# Altium PCB LimeSDR-QPCIe_1v2.PcbDoc (part 5 of 21)
Units mm, origin at the board's own origin, x right, y up, seen from the top; angles counter-clockwise.
Board outline 190 x 111.15 mm, 14 copper layers (Top, L2, L3, L4, L5, L6, L7, L8, L9, L10, L11, L12, L13, Bottom), stack 1.907 mm thick; 2014 components, 1408 nets, 9111 pads, 4171 vias.
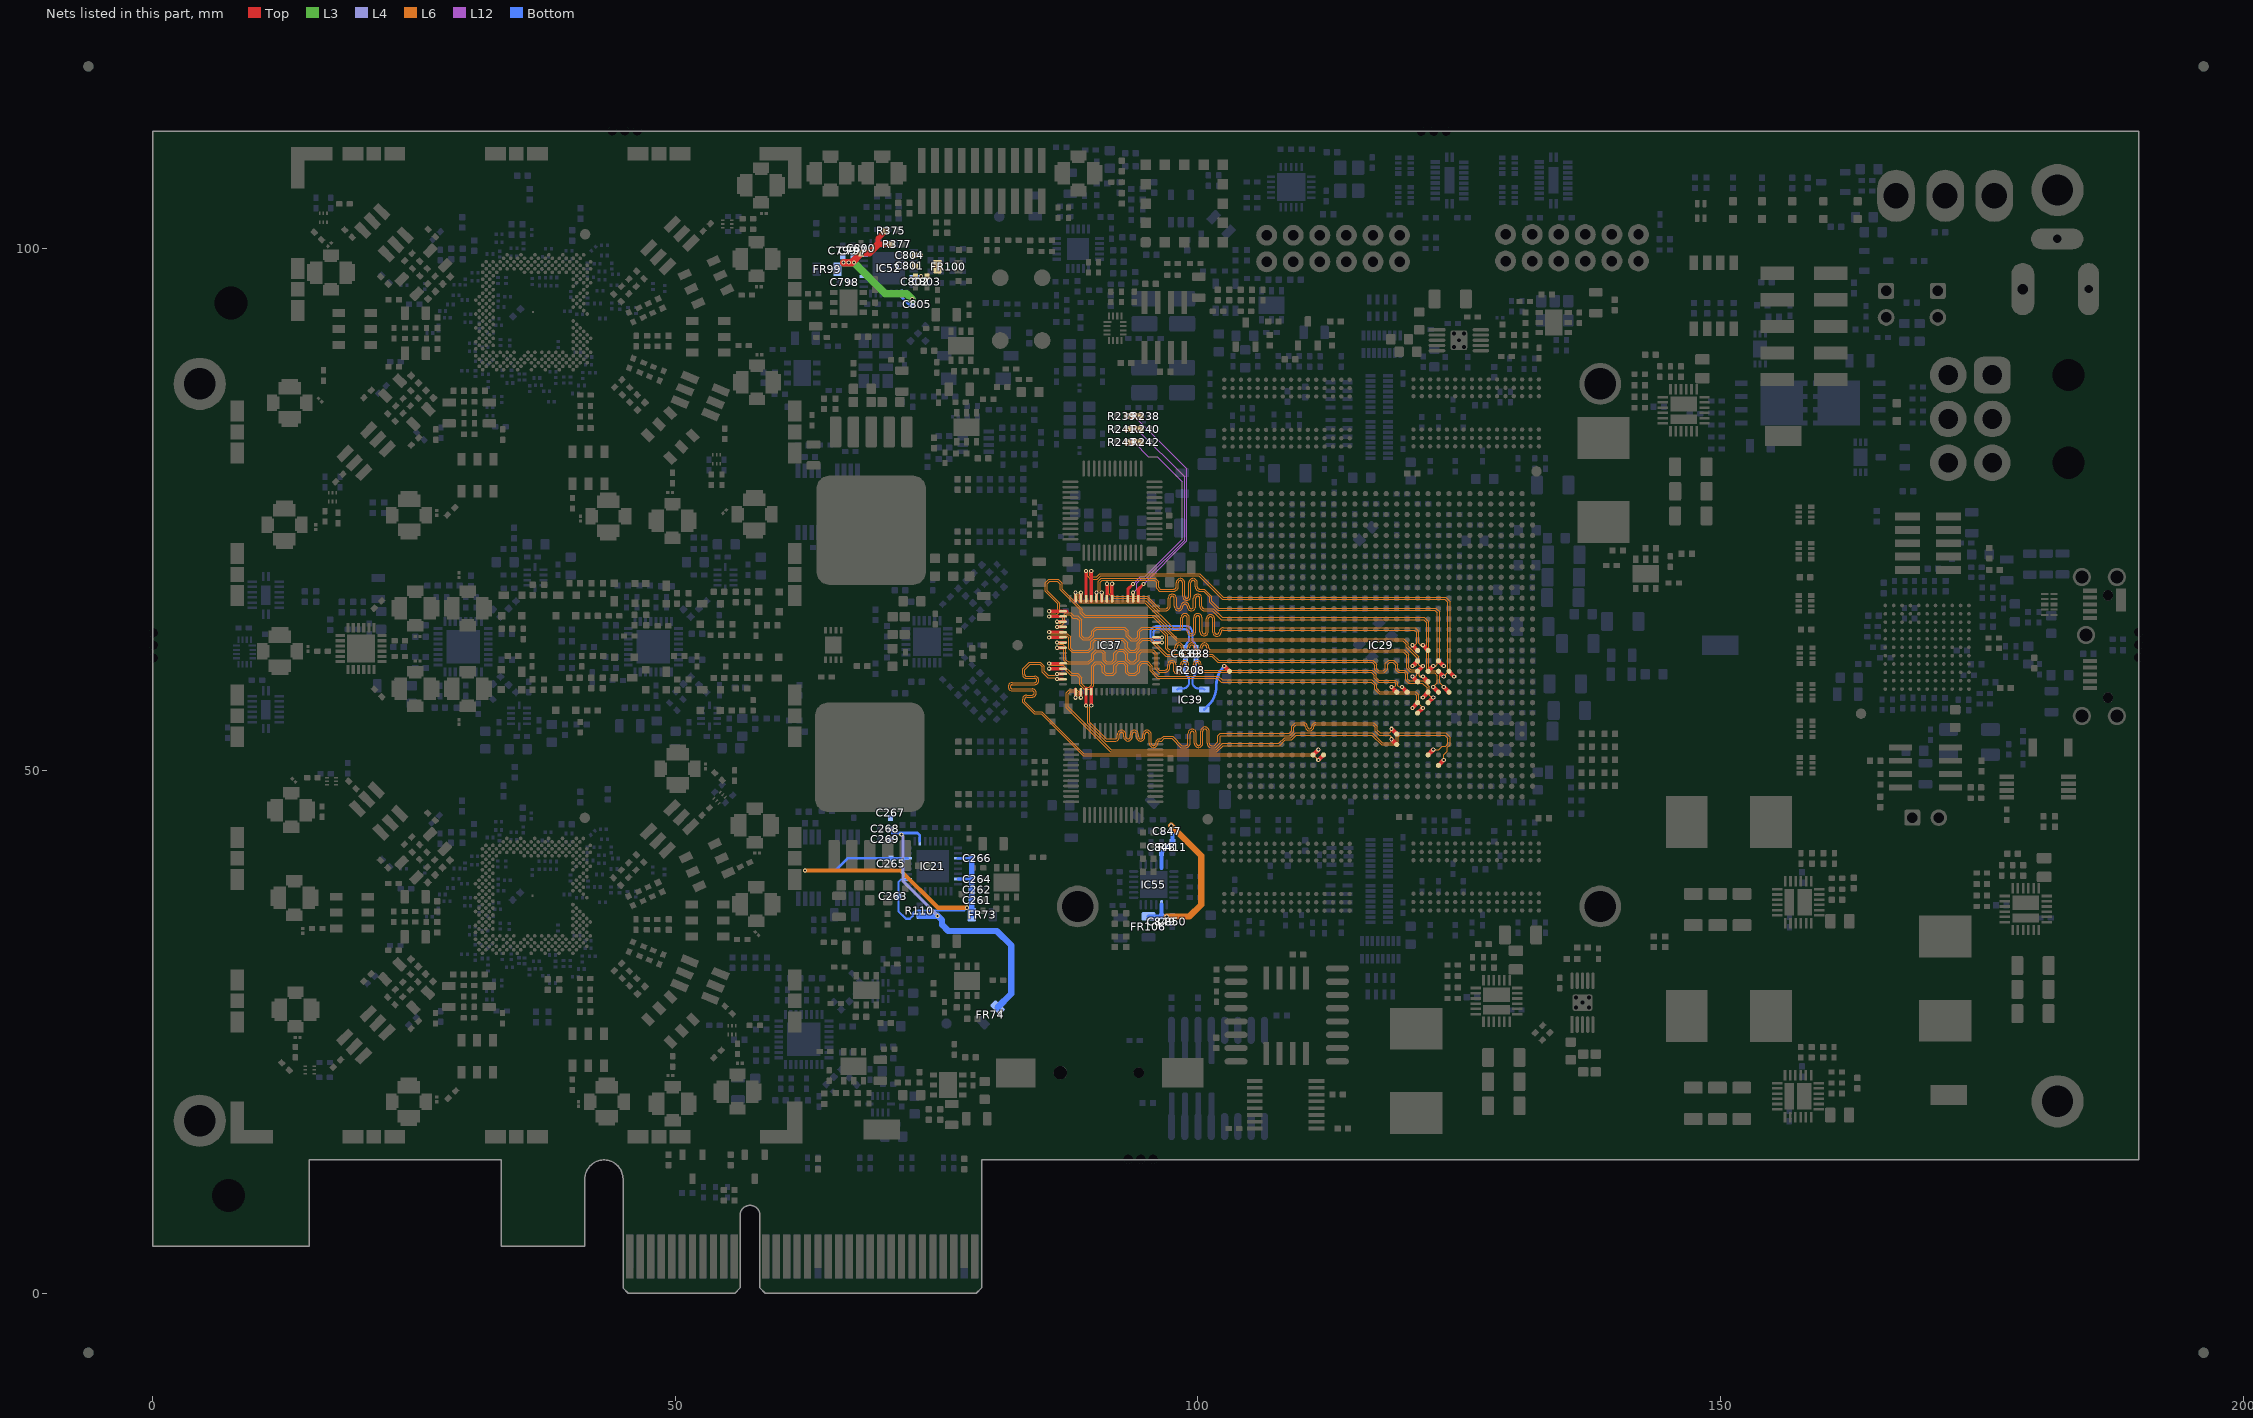
[diagram p17: the nets of this part, all layers, seen from the top]

## Footprints (in the part's own frame and the unit in brackets; to place one, negate y for a bottom-side part, rotate by r counter-clockwise, add the part's x,y. Pads: shape width x height; smd on the part's side, far side on the other; paste and mask are expansions set on the pad) (continued)
MMCX_UFL_conn_U [mm]
  rect 1.55x1 smd mask+0.05: 1(0,1.7) 2(0,-1.7)
  rect 1.2x1.2 smd mask+0.05: 1(0,1.6) 2(0,-1.6)
  rect 1.2x1.6 smd mask+0.05: 2(-1.7,0) 2(1.7,0)
  rect 1.2x2.15 smd mask+0.05: 2(-1.4,0) 2(1.4,0)
  silkscreen extent -2.3,-2.2 2.3,2.2, body extent -1.5,-1.55 1.5,1.55, height 1.25
MSOP10 [mm]
  rrect25% 1.6x0.3 smd mask+0.05: 1(0,0)
  oval 1.6x0.3 smd mask+0.05: 2(0,-0.5) 3(0,-1) 4(0,-1.5) 5(0,-2) 6(4.2,-2) 7(4.2,-1.5) 8(4.2,-1) 9(4.2,-0.5) 10(4.2,0)
  round 0.66 hole 0.381: 11(1.625,-1.625) 11(1.625,-0.375) 11(2.1,-1) 11(2.575,-1.625) 11(2.575,-0.375)
  rrect25% 1.6x1.9 smd: 11(2.1,-1)
  silkscreen extent -1.07,-2.5 5.31,0.5, body extent -0.47,-2.6 4.68,0.6, height 1.09
NetTie_Wide2 [mm]
  rect 0.4x4 on Mid1: 1(-0.575,0) 2(0.575,0)
  L2 region: -0.775,2 -0.775,-2 0.775,-2 0.775,2
PCB_STANDOFF [mm]
  round 5 hole 3: MH1(0,0)
  body extent -2.86,-2.5 2.91,2.5, height 4.4
PCIE_BRACKET [mm]
  body extent -20.4,-24.52 16.38,96.8, height 14.99
PCIe_bracket_screw_M2.5 [mm]
  body extent 3.53,-2.32 8.03,2.18, height 2.5
PCIe_POWER_HEADER_6PIN [mm]
  round 3 hole 3.1: 0(0,7.3) 0(8.4,7.3)
  rrect50% 3.5x3.5 hole 1.9: 1(0,0)
  round 3.5 hole 1.9: 2(4.2,0) 3(8.4,0) 4(0,-4.2) 5(4.2,-4.2) 6(8.4,-4.2)
  silkscreen extent -3.15,-6.27 11.28,13.85, body extent -3.05,-4.72 11.15,13.91, height 11.2
PCIeX4-GF-2D-1000-1K-O64 [mm]
  rect 0.7x3.2 smd far side paste-1: A1(-14.1,0.75)
  rect 0.7x4.2 smd far side paste-1: A2(-13.1,0.25) A3(-12.1,0.25) A4(-11.1,0.25) A5(-10.1,0.25) A6(-9.1,0.25) A7(-8.1,0.25) A8(-7.1,0.25) A9(-6.1,0.25) A10(-5.1,0.25) A11(-4.1,0.25) A12(-1.1,0.25) A13(-0.1,0.25) A14(0.9,0.25) A15(1.9,0.25) A16(2.9,0.25) A17(3.9,0.25) A18(4.9,0.25) A19(5.9,0.25) A20(6.9,0.25) A21(7.9,0.25) A22(8.9,0.25) A23(9.9,0.25) A24(10.9,0.25) A25(11.9,0.25) A26(12.9,0.25) A27(13.9,0.25) A28(14.9,0.25) A29(15.9,0.25) A30(16.9,0.25) A31(17.9,0.25) A32(18.9,0.25)
  rect 0.7x4.2 smd paste-1: B1(-14.1,0.25) B2(-13.1,0.25) B3(-12.1,0.25) B4(-11.1,0.25) B5(-10.1,0.25) B6(-9.1,0.25) B7(-8.1,0.25) B8(-7.1,0.25) B9(-6.1,0.25) B10(-5.1,0.25) B11(-4.1,0.25) B12(-1.1,0.25) B13(-0.1,0.25) B14(0.9,0.25) B15(1.9,0.25) B16(2.9,0.25) B18(4.9,0.25) B19(5.9,0.25) B20(6.9,0.25) B21(7.9,0.25) B22(8.9,0.25) B23(9.9,0.25) B24(10.9,0.25) B25(11.9,0.25) B26(12.9,0.25) B27(13.9,0.25) B28(14.9,0.25) B29(15.9,0.25) B30(16.9,0.25) B32(18.9,0.25)
  rect 0.7x3.2 smd paste-1: B17(3.9,0.75) B31(17.9,0.75)
PE42442_24QFN [mm] "QFN, 24-Leads, Body 4,00x4,00mm, Pitch 0,50mm, thermal pad, IPC Medium Density"
  rect 0.9x0.3 smd mask+0.05: 1(-2,1.25) 2(-2,0.75) 3(-2,0.25) 4(-2,-0.25) 5(-2,-0.75) 6(-2,-1.25) 13(2,-1.25) 14(2,-0.75) 15(2,-0.25) 16(2,0.25) 17(2,0.75) 18(2,1.25)
  rect 0.3x0.9 smd mask+0.05: 7(-1.25,-2) 8(-0.75,-2) 9(-0.25,-2) 10(0.25,-2) 11(0.75,-2) 12(1.25,-2) 19(1.25,2) 20(0.75,2) 21(0.25,2) 22(-0.25,2) 23(-0.75,2) 24(-1.25,2)
  rect 2.7x2.7 smd mask+0.05: PAD(0,0)
  silkscreen extent -2.87,-2.1 2.1,2.1, body extent -2,-2 2,2, height 1
PMODconn_right_angle_TH [mm] "JTAG"
  round 2 hole 1: 1(-6.357,-1.271) 2(-3.814,-1.271) 3(-1.271,-1.271) 4(1.271,-1.271) 5(3.814,-1.271) 6(6.357,-1.271) 7(-6.357,1.271) 8(-3.814,1.271) 9(-1.271,1.271) 10(1.271,1.271) 11(3.814,1.271) 12(6.357,1.271)
  silkscreen extent -7.76,-3.32 7.79,11, body extent -7.93,-1.39 7.82,11.45, height 5
RAKON_RPT7050A [mm] "Rakon's Pluto+ ASIC"
  rect 1.5x1.2 smd: 1(2.45,2.2) 2(-2.75,2.2) 4(-2.75,-2.2) 5(2.45,-2.2)
  rect 1.4x0.9 smd: 3(-3.2,0) 6(3.2,0)
  body extent 4.15,1.8 4.25,1.9, height 0.1
RAKON_RTX5032A [mm] "RAKON RTX5032A 40MHz Filter enabled, with VC, 10pin 5mm x 3.2mm"
  rect 1.35x1 smd mask+0.05: 1(-1.925,-1.15) 4(1.925,-1.15) 6(1.925,1.15) 9(-1.925,1.15)
  rect 0.7x1.35 smd mask+0.05: 2(-0.6,-0.975) 3(0.6,-0.975) 7(0.6,0.975) 8(-0.6,0.975)
  rect 1.35x0.7 smd mask+0.05: 5(1.925,0) 10(-1.925,0)
  silkscreen extent -3.2,-2.25 2.8,1.85, body extent -2.5,-1.6 2.5,1.6, height 0.9
RAKON_TXCO [mm] "30.72 MHz or 61.44 MHz"
  rect 1.5x1.2 smd: 1(2.45,2.2) 2(-2.75,2.2) 3(-2.75,-2.2) 4(2.45,-2.2)
  body extent -3.5,-2.3 3.2,2.3, height 2.4
RES0201 [mm]
  rect 0.3x0.35 smd: 1(-0.28,0) 2(0.28,0)
  silkscreen extent -0.2,-0.33 0.2,0.33, body extent -0.3,-0.15 0.3,0.15, height 0.25
RES0402#1 [mm] "Chip Resistor, Body 1.0x0.5mm, EIA 0402, IPC Medium Density"
  round 0.2 on Mech15: 0(0,0)
  rrect20% 0.6x0.6 smd: 1(-0.5,0) 2(0.5,0)
  Top pour cut-out: -0.2,0.35 0.2,0.35 0.2,-0.35 -0.2,-0.35
  silkscreen extent -1.05,-0.55 1.05,0.55, body extent -0.52,-0.27 0.53,0.28, height 0.4
RES0402#2 [mm] "Chip Resistor, Body 1.0x0.5mm, EIA 0402, IPC Medium Density"
  round 0.2 on Mech14: 0(0,0)
  rrect20% 0.6x0.6 smd: 1(-0.5,0) 2(0.5,0)
  Top pour cut-out: -0.2,0.35 0.2,0.35 0.2,-0.35 -0.2,-0.35
  silkscreen extent -1.05,-0.55 1.05,0.55, body extent -0.52,-0.27 0.53,0.28, height 0.4
RES0402_v2 [mm] "Chip Resistor, Body 1.0x0.5mm, EIA 0402, IPC Medium Density"
  round 0.2 on Mech14: 0(0,0)
  rrect20% 0.6x0.6 smd: 1(-0.5,0) 2(0.5,0)
  Top pour cut-out: -0.2,0.35 0.2,0.35 0.2,-0.35 -0.2,-0.35
  silkscreen extent -0.4,-0.55 0.4,0.55, body extent -0.52,-0.27 0.53,0.28, height 0.4
RES0805#1 [mm] "Chip Resistor, Body 2.0x1.2mm, 0805, IPC Medium Density"
  round 0.254 on Mech14: 0(0,0)
  rrect25% 0.8x1.3 smd: 1(-1,0) 2(1,0)
  Top pour cut-out: -0.6,0.75 0.6,0.75 0.6,-0.75 -0.6,-0.75
  silkscreen extent -0.38,-0.64 0.38,0.64, body extent -1.1,-0.67 1.1,0.68, height 0.69
RES0805#2 [mm] "Chip Resistor, Body 2.0x1.2mm, 0805, IPC Medium Density"
  round 0.254 on Mech15: 0(0,0)
  rrect25% 0.8x1.3 smd: 1(-1,0) 2(1,0)
  Top pour cut-out: -0.6,0.75 0.6,0.75 0.6,-0.75 -0.6,-0.75
  silkscreen extent -0.38,-0.64 0.38,0.64, body extent -1.1,-0.67 1.1,0.68, height 0.69
RFI_SHIELD_CLPS_MINI [mm] "RFI SHIELD CLIP MINI TIN SMD, S0971-46R"
  rect 2x1.3 smd mask+0.05: 1(-2,0) 1(2,0)
  rect 1.4x1.3 smd mask+0.05: 1(0,0)
  body extent -2.9,-0.5 2.9,0.5, height 1
S25FL164K_WSO8N [mm]
  rect 2.2x0.55 smd: 1(-3.6,1.905) 2(-3.6,0.635) 3(-3.6,-0.635) 4(-3.6,-1.905) 5(3.6,-1.905) 6(3.6,-0.635) 7(3.6,0.635) 8(3.6,1.905)
  silkscreen extent -4.72,-2.5 2,2.72, body extent -4.15,-2.73 3.95,2.73, height 1.75
Si5351C_20QFN [mm] "QFN, 20-Leads, Body 4,00x4,00mm, Pitch 0,50mm, Thermal Pad 2,70x2,70mm, IPC Medium Density"
  rect 0.8x0.25 smd mask+0.05: 1(-1.925,1) 2(-1.925,0.5) 3(-1.925,0) 4(-1.925,-0.5) 5(-1.925,-1) 11(1.925,-1) 12(1.925,-0.5) 13(1.925,0) 14(1.925,0.5) 15(1.925,1)
  rect 0.25x0.8 smd mask+0.05: 6(-1,-1.925) 7(-0.5,-1.925) 8(0,-1.925) 9(0.5,-1.925) 10(1,-1.925) 16(1,1.925) 17(0.5,1.925) 18(0,1.925) 19(-0.5,1.925) 20(-1,1.925)
  rect 2.7x2.7 smd mask+0.05: 21(0,0)
  silkscreen extent -2.93,-2.15 2.15,2.15, body extent -2.02,-2.02 2.02,2.02, height 0.8
SKY13323-378LF [mm] "SKY13323-378LF RF switch"
  rect 0.35x0.15 smd paste-0.1 mask+0.05: 1(-0.425,0.35) 2(-0.425,0) 3(-0.425,-0.35) 4(0.425,-0.35) 5(0.425,0) 6(0.425,0.35)
  Top region: -0.4,0.075 -0.175,0.075 -0.075,0.175 -0.075,0.6 0.075,0.6 0.075,0 -0.4,0
  Top region: -0.4,-0.075 -0.175,-0.075 -0.075,-0.175 -0.075,-0.6 0.075,-0.6 0.075,0 -0.4,0
  silkscreen extent -0.65,-0.77 0.3,0.77, body extent -0.5,-0.5 0.5,0.5, height 0.51
SN74AVC4T774 [mm] "PQFN, 16-Leads, Body 2,60x1,80mm, Pitch 0,40mm, IPC Medium Density"
  rect 0.2x0.75 smd mask+0.05: 1(-0.6,-0.725)
  rect 0.2x0.65 smd mask+0.05: 2(-0.2,-0.775) 3(0.2,-0.775) 4(0.6,-0.775) 9(0.6,0.775) 10(0.2,0.775) 11(-0.2,0.775) 12(-0.6,0.775)
  rect 0.65x0.2 smd mask+0.05: 5(1.175,-0.6) 6(1.175,-0.2) 7(1.175,0.2) 8(1.175,0.6) 13(-1.175,0.6) 14(-1.175,0.2) 15(-1.175,-0.2) 16(-1.175,-0.6)
  silkscreen extent -1.75,-1.8 1.75,1.38, body extent -1.33,-0.93 1.32,0.92, height 0.55
SOIC16_WIDE [mm] "SOIC, 1.27mm pitch, 16 pin"
  round 1 on Mech15: 0(0,0)
  oval 2.2x0.6 smd: 1(-4.85,4.445) 2(-4.85,3.175) 3(-4.85,1.905) 4(-4.85,0.635) 5(-4.85,-0.635) 6(-4.85,-1.905) 7(-4.85,-3.175) 8(-4.85,-4.445) 9(4.85,-4.445) 10(4.85,-3.175) 11(4.85,-1.905) 12(4.85,-0.635) 13(4.85,0.635) 14(4.85,1.905) 15(4.85,3.175) 16(4.85,4.445)
  silkscreen extent -5.27,-5.03 3.4,5.42, body extent -5.31,-5.25 5.32,5.25, height 2.59
SOT23-3#1 [mm] "SOT23, 3 pin"
  round 0.5 on Mech14: 0(0,0)
  rrect25% 1x0.6 smd: D(1.15,0) G(-1.15,0.95) S(-1.15,-0.95)
  silkscreen extent -1.25,-1.45 0.38,1.81, body extent -1.4,-1.45 1.4,1.45, height 1.29
SOT23-3#2 [mm] "SOT23, 3 pin"
  round 0.5 on Mech15: 0(0,0)
  rrect25% 1x0.6 smd: D(1.15,0) G(-1.15,0.95) S(-1.15,-0.95)
  silkscreen extent -1.25,-1.45 0.38,1.81, body extent -1.4,-1.45 1.4,1.45, height 1.29
SOT23-3_v2 [mm] "SOT23, 3 pin"
  round 0.5 on Mech14: 0(0,0)
  rrect25% 1x0.6 smd: 1(-1.15,0.95) 2(-1.15,-0.95) 3(1.15,0)
  silkscreen extent -1.25,-1.45 0.38,1.81, body extent -1.4,-1.45 1.4,1.45, height 1.29
SOT23-5 [mm]
  round 0.5 on Mech14: 0(0,0)
  rrect25% 1x0.6 smd: 1(-1.3,0.95) 2(-1.3,0) 3(-1.3,-0.95) 4(1.3,-0.95) 5(1.3,0.95)
  silkscreen extent -1.42,-1.35 0.51,1.81, body extent -1.4,-1.45 1.4,1.45, height 1.44
SP3010-04UTG [mm]
  rect 0.2x0.675 smd mask+0.05: 1(-1,-0.437) 2(-0.5,-0.437) 4(0.5,-0.437) 5(1,-0.437) 6(1,0.437) 7(0.5,0.437) 9(-0.5,0.437) 10(-1,0.437)
  rect 0.4x0.675 smd mask+0.05: 3(0,-0.437) 8(0,0.437)
  Top region: 0.2,0.775 0.2,-0.775 -0.2,-0.775 -0.2,0.775
  silkscreen extent -1.4,-1.48 1.4,1, body extent -1.25,-0.51 1.25,0.51, height 0.52
SW_4WAY_SMD_1P27 [mm] "DIP Switch; 8 Leads, 1.27 pitch"
  rect 0.8x1.4 smd: 1(-1.905,-3.15) 2(-0.635,-3.15) 3(0.635,-3.15) 4(1.905,-3.15) 5(1.905,3.15) 6(0.635,3.15) 7(-0.635,3.15) 8(-1.905,3.15)
  silkscreen extent -2.96,-1.9 2.92,1.9, body extent -3.15,-3.54 3.16,3.44, height 1.5
SW_tactile [mm]
  rect 0.8x1.7 smd: 1(1.7,0) 2(-1.7,0)
  silkscreen extent -2.5,-1.2 2.5,1.2, body extent -1.7,-1.1 1.7,1.1, height 2
SWD_10_pin [mm]
  rect 0.75x2.4 smd: 1(-2.55,-1.95) 2(-2.55,1.95) 3(-1.275,-1.95) 4(-1.275,1.95) 5(0,-1.95) 6(0,1.95) 7(1.275,-1.95) 8(1.275,1.95) 9(2.55,-1.95) 10(2.55,1.95)
  silkscreen extent -3.2,-3.4 3.2,3.4, body extent -3.17,-2.75 3.17,2.75, height 6.37
SWITCH_SPDT_SLIDER_V2 [mm] "TE Connectivity SLS121PC04 SPDT slider"
  oval 3.6x5 hole 2.4: 1(-4.7,0) 2(0,0) 3(4.7,0)
  silkscreen extent -6.5,-3.3 6.5,3.4, body extent -6.55,-3.35 6.55,3.35, height 11.4
TCM1-63AX+_v2 [mm] "Balun"
  rect 0.76x1.65 smd: 1(-1.27,1.59) 2(0,1.59) 3(1.27,1.59) 4(1.27,-1.59) 5(0,-1.59) 6(-1.27,-1.59)
  silkscreen extent -2,-0.6 2,3.1, body extent -1.27,-1.61 1.28,1.61, height 2.8
TI-PFB48_L [mm] "QFP, 48-Leads, Body 7x7mm, Pitch 0.5mm, IPC High Density"
  oval 1.55x0.25 smd: 1(-4.025,2.75) 2(-4.025,2.25) 3(-4.025,1.75) 4(-4.025,1.25) 5(-4.025,0.75) 6(-4.025,0.25) 7(-4.025,-0.25) 8(-4.025,-0.75) 9(-4.025,-1.25) 10(-4.025,-1.75) 11(-4.025,-2.25) 12(-4.025,-2.75) 25(4.025,-2.75) 26(4.025,-2.25) 27(4.025,-1.75) 28(4.025,-1.25) 29(4.025,-0.75) 30(4.025,-0.25) 31(4.025,0.25) 32(4.025,0.75) 33(4.025,1.25) 34(4.025,1.75) 35(4.025,2.25) 36(4.025,2.75)
  oval 0.25x1.55 smd: 13(-2.75,-4.025) 14(-2.25,-4.025) 15(-1.75,-4.025) 16(-1.25,-4.025) 17(-0.75,-4.025) 18(-0.25,-4.025) 19(0.25,-4.025) 20(0.75,-4.025) 21(1.25,-4.025) 22(1.75,-4.025) 23(2.25,-4.025) 24(2.75,-4.025) 37(2.75,4.025) 38(2.25,4.025) 39(1.75,4.025) 40(1.25,4.025) 41(0.75,4.025) 42(0.25,4.025) 43(-0.25,4.025) 44(-0.75,4.025) 45(-1.25,4.025) 46(-1.75,4.025) 47(-2.25,4.025) 48(-2.75,4.025)
  silkscreen extent -4.15,-2.85 2.85,3.55, body extent -4.5,-4.5 4.5,4.5, height 1.6
TI-RGC64-7400X7400TP_V [mm] "QFN, 64-Leads, Body 9x9mm, Pitch 0.5mm, Thermal Pad 7.4x7.4mm, TI Recommended"
  oval 0.75x0.24 smd: 1(-4.45,3.75) 2(-4.45,3.25) 3(-4.45,2.75) 4(-4.45,2.25) 5(-4.45,1.75) 6(-4.45,1.25) 7(-4.45,0.75) 8(-4.45,0.25) 9(-4.45,-0.25) 10(-4.45,-0.75) 11(-4.45,-1.25) 12(-4.45,-1.75) 13(-4.45,-2.25) 14(-4.45,-2.75) 15(-4.45,-3.25) 16(-4.45,-3.75) 33(4.45,-3.75) 34(4.45,-3.25) 35(4.45,-2.75) 36(4.45,-2.25) 37(4.45,-1.75) 38(4.45,-1.25) 39(4.45,-0.75) 40(4.45,-0.25) 41(4.45,0.25) 42(4.45,0.75) 43(4.45,1.25) 44(4.45,1.75) 45(4.45,2.25) 46(4.45,2.75) 47(4.45,3.25) 48(4.45,3.75)
  oval 0.24x0.75 smd: 17(-3.75,-4.45) 18(-3.25,-4.45) 19(-2.75,-4.45) 20(-2.25,-4.45) 21(-1.75,-4.45) 22(-1.25,-4.45) 23(-0.75,-4.45) 24(-0.25,-4.45) 25(0.25,-4.45) 26(0.75,-4.45) 27(1.25,-4.45) 28(1.75,-4.45) 29(2.25,-4.45) 30(2.75,-4.45) 31(3.25,-4.45) 32(3.75,-4.45) 49(3.75,4.45) 50(3.25,4.45) 51(2.75,4.45) 52(2.25,4.45) 53(1.75,4.45) 54(1.25,4.45) 55(0.75,4.45) 56(0.25,4.45) 57(-0.25,4.45) 58(-0.75,4.45) 59(-1.25,4.45) 60(-1.75,4.45) 61(-2.25,4.45) 62(-2.75,4.45) 63(-3.25,4.45) 64(-3.75,4.45)
  rect 7.4x7.4 smd: 65(0,0)
  silkscreen extent -5.5,-4.72 4.72,4.73, body extent -4.52,-4.52 4.52,4.52, height 0.9
TO-263-5 [mm] "D-PAK/TO-263-5; 5 Leads; Body 14.4 (inc. leads) x 10.4 mm (LxW max)"
  round 0.5 on Mech15: 0(0,0)
  rrect25% 2.95x1.1 smd: 1(-6.15,3.41) 2(-6.15,1.705) 3(-6.15,0) 4(-6.15,-1.705) 5(-6.15,-3.41)
  rrect25% 10.5x10.5 smd: 3(3.25,0)
  silkscreen extent -8.4,-5.2 -2.1,5.3, body extent -6.73,-5.08 7.29,5.08, height 4.56
TP-SMD-LOW_PROFILE [mm] "SMD test point loop"
  rect 3.5x1.9 smd: 1(0,0)
  silkscreen extent -2.07,-1.28 2.07,1.28, body extent -1.6,-0.8 1.6,0.8, height 2
TS3A5018PWR [mm] "TSOP, 16-Leads, Body 5,00x4,40mm, Pitch 0,65mm, IPC Medium Density"
  rect 1.5x0.35 smd: 1(-2.95,2.275) 2(-2.95,1.625) 3(-2.95,0.975) 4(-2.95,0.325) 5(-2.95,-0.325) 6(-2.95,-0.975) 7(-2.95,-1.625) 8(-2.95,-2.275) 9(2.95,-2.275) 10(2.95,-1.625) 11(2.95,-0.975) 12(2.95,-0.325) 13(2.95,0.325) 14(2.95,0.975) 15(2.95,1.625) 16(2.95,2.275)
  silkscreen extent -4.18,-2.55 1.85,2.55, body extent -3.2,-2.5 3.2,2.5, height 1.1

## Part data
BATT1: library part CR1220_BATTERY_HOLDER
C1 C2 C3 C4 C5 C6 C7 C8 C9 C10 C11 C12 C13 C14 C15 C16 C17 C18 C19 C20 C21 C22 C23 C24 C25 C26 C27 C28 C29 C30 C31 C32 C33 C34 C35 C36 C37 C38 C39 C40 C41 C42 C43 C44 C45 C46 C47 C48 C49 C50 C51 C52 C53 C54 C55 C56 C57 C58 C59 C60 C61 C62 C63 C64 C65 C66 C67 C68 C69 C70 C71 C72 C73 C74 C75 C76 C77 C78 C79 C80 C81 C82 C83 C84 C85 C86 C87 C88 C89 C90 C91 C92 C93 C94 C95 C96 C97 C98 C99 C100 C101 C102 C103 C104 C105 C106 C107 C108 C109 C110 C111 C112 C113 C114 C115 C116 C117 C118 C119 C120 C121 C122 C123 C124 C125 C126 C127 C128 C129 C130 C131 C132 C133 C134 C135 C136 C137 C138 C139 C140 C141 C142 C143 C144 C145 C146 C147 C148 C149 C150 C151 C152 C153 C154 C155 C156 C157 C158 C159 C160 C161 C162 C163 C164 C165 C166 C167 C168 C169 C170 C171 C172 C173 C174 C175 C176 C177 C178 C179 C180 C181 C182 C183 C184 C185 C186 C187 C188 C189 C190 C191 C192 C193 C194 C195 C196 C197 C198 C199 C200 C201 C202 C203 C204 C205 C206 C207 C208 C209 C210 C211 C212 C213 C214 C215 C216 C217 C218 C219 C220 C221 C222 C223 C224 C225 C227 C228 C231 C233 C234 C235 C236 C237 C238 C239 C240 C241 C242 C244 C246 C248 C249 C250 C251 C252 C253 C254 C255 C256 C258 C260 C262 C263 C264 C265 C266 C268 C269 C270 C272 C273 C275 C277 C279 C280 C281 C282 C283 C284 C285 C286 C287 C289 C291 C293 C294 C296 C297 C299 C301 C303 C304 C305 C306 C307 C308 C309 C310 C311 C313 C315 C317 C340 C346 C352 C358 C364 C370 C376 C382 C388 C674 C675 C676 C679 C680 C753 C754 C755 C756 C757 C764 C765 C768 C769 C771 C773 C774 C775 C780 C781 C782 C783 C784 C785 C786 C787 C789 C790 C791 C792 C793 C794 C795 C796 C798 C799 C800 C802 C803 C804 C805 C806 C807 C808 C809 C810 C811 C812 C813 C814 C815 C816 C817 C818 C819 C820 C821 C822 C823 C824 C826 C827 C828 C829 C830 C831 C835 C836 C839 C843 C844 C845 C846 C848 C849 C850 C851 C856 C861 C864 C872 C873 C875 C876 C877 C878 C879 C881 C882 C883 C892 C893 C894 C895 C896 C897 C898 C899 C901 C905 C906 C907 C908 C909 C911 C919 C920 C921 C922 C923 C924 C925 C926 C929 C930 C933 C934 C937 C940 C942 C943 C944 C945 C947 C948 C949 C950 C951 C952 C954 C955 C957 C958 C959 C960 C962 C963 C965 C966 C967 C968 C969 C970 C971 C972 C973 C974 C975 C976 C978 C979 C981 C982 C983 C984 MN9 MN10 MN11 MN12 MN13 MN14 MN15 MN16 MN25 MN26 MN27 MN28 MN29 MN30 MN31 MN32 MN33 MN34 MN37 MN38 MN39 MN40 MN41 MN42 MN43 MN44 MN45 MN46 MN47 MN48 MN49 MN50 MN53 MN54 MN55 MN56 MN65 MN66 MN67 MN68 MN69 MN70 MN71 MN72 MN81 MN82 MN83 MN84 MN85 MN86 MN87 MN88 MN89 MN90 MN93 MN94 MN95 MN96 MN97 MN98 MN99 MN100 MN101 MN102 MN103 MN104 MN105 MN106 MN109 MN110 MN111 MN112: library part Cap_0402
C226 C229 C230 C232 C243 C245 C247 C257 C259 C271 C274 C276 C278 C288 C290 C292 C295 C298 C300 C302 C312 C314 C316 C318 C319 C320 C321 C322 C323 C324 C325 C326 C327 C328 C329 C330 C331 C332 C333 C334 C338 C339 C341 C344 C345 C347 C350 C351 C353 C356 C357 C359 C362 C363 C365 C368 C369 C371 C374 C375 C377 C380 C381 C383 C386 C387 C389 C390 C391 C392 C393 C394 C395 C396 C397 C398 C399 C400 C401 C402 C403 C404 C405 C406 C407 C408 C409 C410 C411 C412 C413 C414 C415 C416 C417 C418 C419 C420 C421 C422 C423 C424 C425 C426 C427 C428 C429 C430 C431 C432 C433 C434 C435 C436 C437 C438 C439 C440 C441 C442 C443 C444 C445 C446 C447 C448 C449 C450 C451 C452 C453 C454 C455 C456 C457 C458 C459 C460 C461 C462 C463 C464 C465 C466 C467 C468 C469 C470 C471 C472 C473 C474 C475 C476 C477 C478 C479 C480 C481 C482 C483 C484 C485 C486 C487 C488 C489 C490 C491 C492 C493 C494 C495 C496 C497 C498 C499 C500 C501 C502 C503 C504 C505 C506 C507 C508 C509 C510 C511 C512 C513 C514 C515 C516 C517 C518 C519 C520 C521 C522 C523 C524 C525 C526 C527 C528 C529 C530 C531 C532 C533 C534 C535 C536 C537 C538 C539 C540 C541 C542 C543 C545 C546 C547 C548 C549 C550 C551 C552 C554 C555 C556 C557 C558 C560 C563 C564 C565 C566 C567 C568 C569 C570 C571 C572 C573 C574 C575 C576 C577 C578 C579 C580 C581 C582 C583 C585 C586 C587 C588 C589 C590 C591 C592 C593 C595 C596 C597 C598 C599 C600 C601 C602 C604 C605 C606 C607 C608 C610 C613 C614 C615 C616 C617 C618 C619 C620 C621 C622 C623 C624 C625 C626 C627 C628 C629 C630 C631 C632 C633 C635 C636 C637 C638 C639 C640 C641 C642 C643 C644 C645 C646 C647 C648 C649 C650 C651 C652 C653 C654 C655 C656 C657 C658 C659 C660 C661 C662 C663 C664 C665 C666 C667 C668 C669 C670 C671 C672 C673 C677 C678 C681 C682 C683 C684 C685 C686 C687 C688 C689 C690 C691 C692 C693 C694 C695 C696 C697 C698 C699 C700 C701 C702 C703 C704 C705 C706 C707 C708 C709 C710 C711 C712 C713 C714 C715 C716 C717 C718 C719 C720 C721 C722 C723 C724 C725 C726 C727 C728 C729 C730 C731 C732 C733 C734 C735 C736 C737 C738 C739 C740 C741 C742 C743 C744 C745 C746 C747 C748 C749 C750 C751 C752 C758 C759 C760 C761 C762 C763 C766 C767 C770 C772 C776 C777 C778 C788 C825 C832 C834 C838 C840 C852 C854 C855 C857 C858 C859 C860 C862 C865 C866 C867 C868 C869 C870 C871 C927 C928 C931 C932 C935 C936 C938 C939 C941 C946 C985 C986 C988 C989 C990 C992: library part Cap_0603
C261 C267 C779 C797 C801 C833 C837 C841 C842 C847 C853 C863 C874 C880 C953 C956 C961 C964 C977 C980 C987 C991: library part Cap_0402, "CAP CER 2.2UF 16V 10% X5R 0402"
C335 C336 C337 C342 C343 C348 C349 C354 C355 C360 C361 C366 C367 C372 C373 C378 C379 C384 C385 C562 C612 C886 C887 C888 C889 C890 C891 C902 C903 C904 C913 C914 C915 C916 C917 C918: library part Cap_1206
C544 C553 C561 C594 C603 C611: library part 4X_cap_array_1206
C559 C584 C609 C634: library part Cap_0603, "CAP CER 2.2UF 16V 10% X5R 0402"
C884 C885 C900 C910 C912: library part Cap_0805
FAN1: library part 12V_DC_FAN
FR71 FR72 FR73 FR74 FR75 FR76 FR77 FR78 FR79 FR80 FR81 FR82 FR83 FR84 FR85 FR86 FR87 FR88 FR89 FR90 FR91 FR92 FR93 FR94 FR95 FR96 FR97 FR98 FR99 FR100 FR101 FR106 FR107 FR110 FR111 FR112 FR113 FR114 FR115 FR116 FR117 FR118 FR119 FR120 FR121 FR122 FR123: library part Ferrite
IC1 IC2: library part LMS7002Mr3, "Schematic symbol revision 3. Default footprint - 0.31mm pad"
IC3 IC5 IC51: library part 24FC64F
IC7 IC8: library part 74HC595BQ,115
IC10 IC11 IC12 IC13 IC14 IC15 IC16 IC17: "SKY13323-378LF: 0.1-3.0 GHz GaAs SPDT Switch"
IC18 IC20 IC23 IC25 IC26 IC28: library part MAX11108AVB+T
IC22: "UltraCMOS SPDT RF Switch  100 – 6000 MHz"
IC29: "Cyclone V GX Family FPGA, 1.07 to 1.13 V Supply, 480 I/O Pins, 7 PLLs, 896-Pin FBGA, Speed Grade 8, Commercial Grade, RoHS Compliant"
IC30: library part M25P40
IC32: library part S25FL032P
IC37: "14-Bit 160 MSPS Dual Low Power ADC, -40 to 85 degC, 64-pin QFN (RGC64), Green (RoHS & no Sb/Br)"
IC40 IC41: "14-Bit 275 MSPS Dual Digital to Analog Converter, -40 to 85 degC, 48-pin QFP (PFB48), Green (RoHS & no Sb/Br)"
IC42: "Cypress USB3.0 chip"
IC48: library part M10578-A3_GPS_GNSS
IC50: "Extremely Accurate I2C-Integrated Real-Time Clock/TCXO/Crystal, 16-Pin SO, 0 to 70 degC, RoHS Qualified"
IC80 IC81: library part NCP59151
J1 J2 J3 J4 J5 J6 J7 J8 J9 J10 J11 J12 J13 J14 J15 J16 J17 J18 J19 J20 J21 J22 J23 J24 J25 J34 J36: library part RF_IF_connector, "CONN UMC RCPT STR 50 OHM SMD"
J26: library part JTAG_connector_10pin
J27: library part Micro_USB3_B